# KiCad board SparkFun_NEO-F10N_panelized.kicad_pcb (continued)
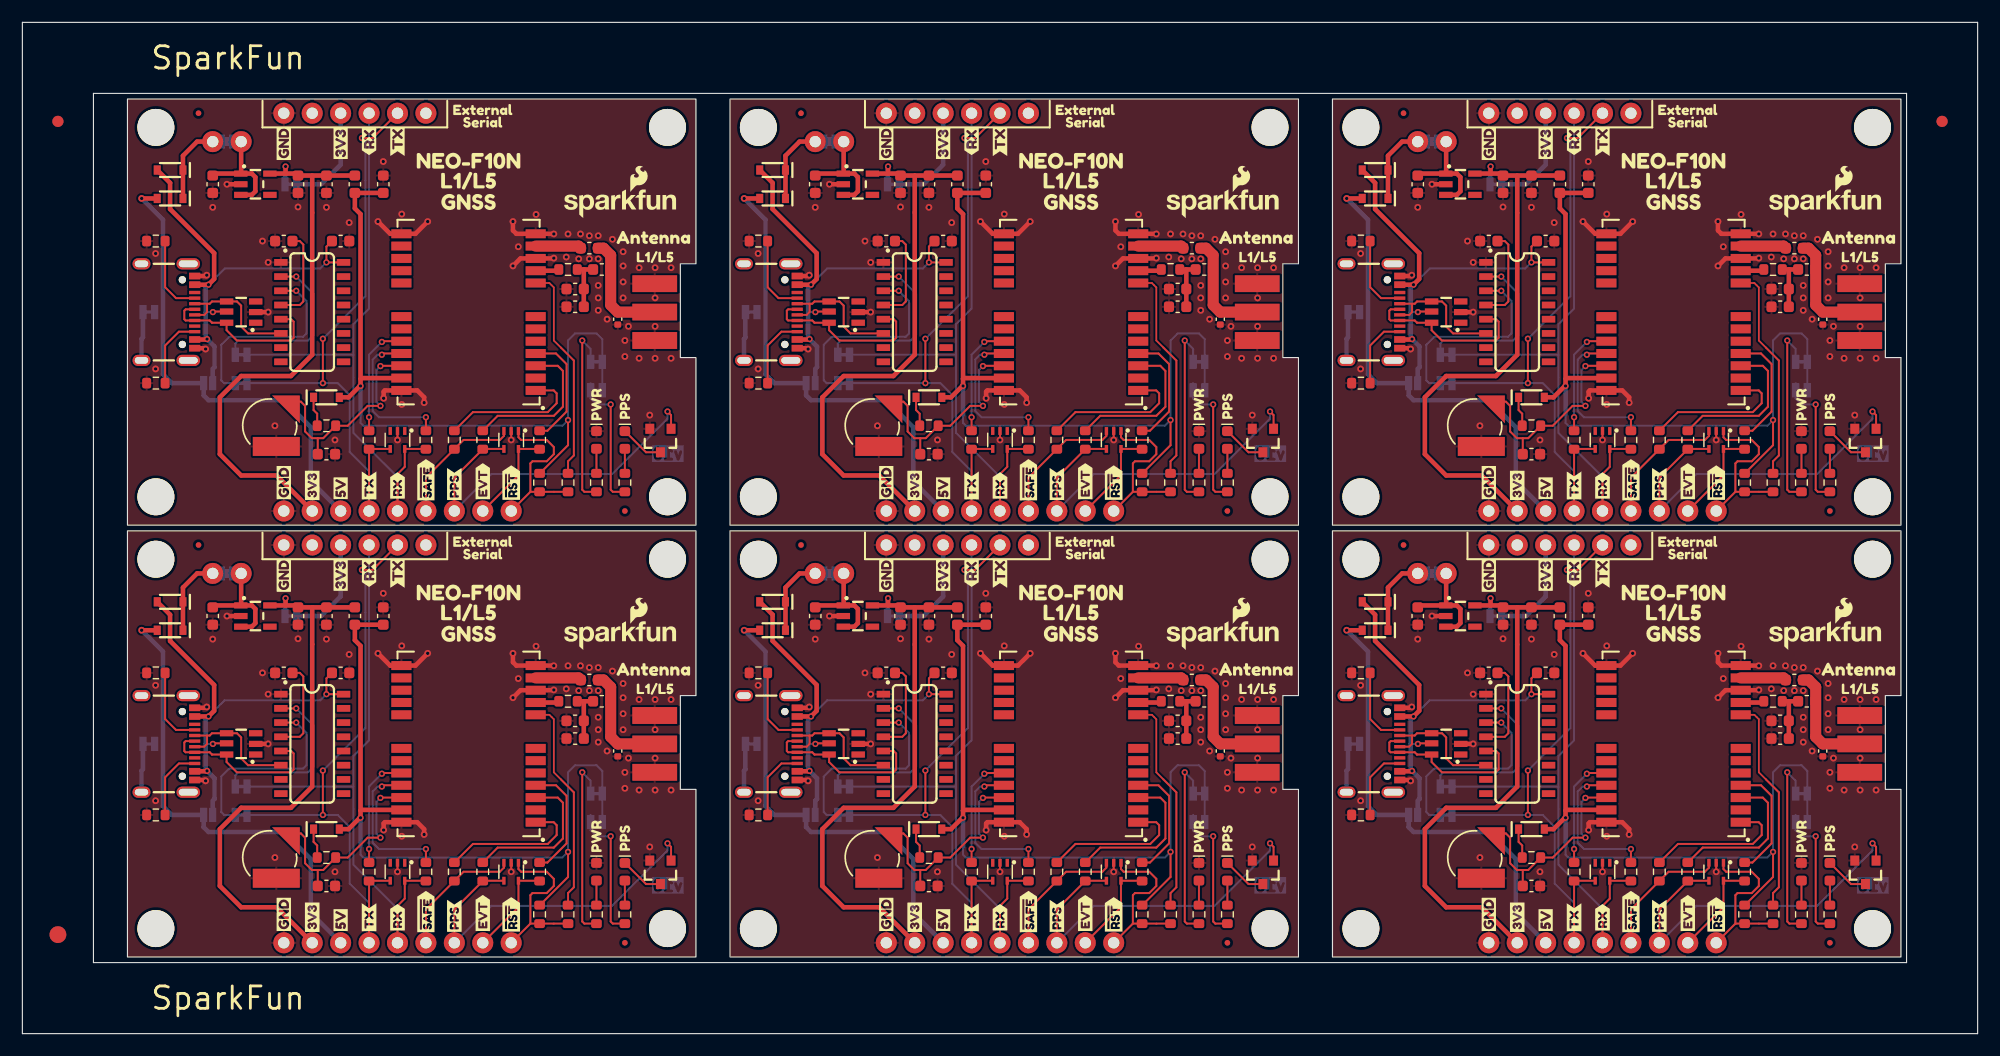
[diagram p0: board, top side]
## Placement (name value [footprint] x y rotation side) (continued)
kibuzzard-654D22C2#6  G***  [kibuzzard-654D22C2]  25.9 10.41 90 top
kibuzzard-654D22C2#7  G***  [kibuzzard-654D22C2]  79.74 10.41 270 bottom
kibuzzard-654D22C2#8  G***  [kibuzzard-654D22C2]  25.9 49.01 270 bottom
kibuzzard-654D22C2#9  G***  [kibuzzard-654D22C2]  133.58 10.41 270 bottom
kibuzzard-654D22C2#10  G***  [kibuzzard-654D22C2]  79.74 49.01 270 bottom
kibuzzard-654D22C2#11  G***  [kibuzzard-654D22C2]  133.58 49.01 270 bottom
kibuzzard-654D22C2#12  G***  [kibuzzard-654D22C2]  25.9 10.41 270 bottom
kibuzzard-654D22ED  G***  [kibuzzard-654D22ED]  30.98 10.41 90 top
kibuzzard-654D22ED#2  G***  [kibuzzard-654D22ED]  30.98 49.01 90 top
kibuzzard-654D22ED#3  G***  [kibuzzard-654D22ED]  84.82 49.01 90 top
kibuzzard-654D22ED#4  G***  [kibuzzard-654D22ED]  138.66 10.41 90 top
kibuzzard-654D22ED#5  G***  [kibuzzard-654D22ED]  138.66 49.01 90 top
kibuzzard-654D22ED#6  G***  [kibuzzard-654D22ED]  84.82 10.41 90 top
kibuzzard-654D22FF  G***  [kibuzzard-654D22FF]  87.36 49.01 90 top
kibuzzard-654D22FF#2  G***  [kibuzzard-654D22FF]  141.2 10.41 90 top
kibuzzard-654D22FF#3  G***  [kibuzzard-654D22FF]  141.2 49.01 90 top
kibuzzard-654D22FF#4  G***  [kibuzzard-654D22FF]  33.52 49.01 90 top
kibuzzard-654D22FF#5  G***  [kibuzzard-654D22FF]  87.36 10.41 90 top
kibuzzard-654D22FF#6  G***  [kibuzzard-654D22FF]  33.52 10.41 90 top
kibuzzard-654D24A3  G***  [kibuzzard-654D24A3]  131.42 22.09 180 bottom
kibuzzard-654D24A3#2  G***  [kibuzzard-654D24A3]  77.58 60.69 180 bottom
kibuzzard-654D24A3#3  G***  [kibuzzard-654D24A3]  77.58 22.09 180 bottom
kibuzzard-654D24A3#4  G***  [kibuzzard-654D24A3]  131.42 60.69 180 bottom
kibuzzard-654D24A3#5  G***  [kibuzzard-654D24A3]  23.74 60.69 180 bottom
kibuzzard-654D24A3#6  G***  [kibuzzard-654D24A3]  23.74 22.09 180 bottom
kibuzzard-654D24AA  G***  [kibuzzard-654D24AA]  77.71 58.15 180 bottom
kibuzzard-654D24AA#2  G***  [kibuzzard-654D24AA]  77.71 19.55 180 bottom
kibuzzard-654D24AA#3  G***  [kibuzzard-654D24AA]  23.87 58.15 180 bottom
kibuzzard-654D24AA#4  G***  [kibuzzard-654D24AA]  131.55 19.55 180 bottom
kibuzzard-654D24AA#5  G***  [kibuzzard-654D24AA]  131.55 58.15 180 bottom
kibuzzard-654D24AA#6  G***  [kibuzzard-654D24AA]  23.87 19.55 180 bottom
kibuzzard-654D24CA  G***  [kibuzzard-654D24CA]  72.12 42.92 180 bottom
kibuzzard-654D24CA#2  G***  [kibuzzard-654D24CA]  18.28 81.52 180 bottom
kibuzzard-654D24CA#3  G***  [kibuzzard-654D24CA]  72.12 81.52 180 bottom
kibuzzard-654D24CA#4  G***  [kibuzzard-654D24CA]  125.96 81.52 180 bottom
kibuzzard-654D24CA#5  G***  [kibuzzard-654D24CA]  125.96 42.92 180 bottom
kibuzzard-654D24CA#6  G***  [kibuzzard-654D24CA]  18.28 42.92 180 bottom
kibuzzard-654D232B  G***  [kibuzzard-654D232B]  38.6 49.13 90 top
kibuzzard-654D232B#2  G***  [kibuzzard-654D232B]  92.44 10.53 90 top
kibuzzard-654D232B#3  G***  [kibuzzard-654D232B]  146.28 49.13 90 top
kibuzzard-654D232B#4  G***  [kibuzzard-654D232B]  92.44 49.13 90 top
kibuzzard-654D232B#5  G***  [kibuzzard-654D232B]  146.28 10.53 90 top
kibuzzard-654D232B#6  G***  [kibuzzard-654D232B]  38.6 10.53 90 top
kibuzzard-654D2357  G***  [kibuzzard-654D2357]  41.14 10.79 90 top
kibuzzard-654D2357#2  G***  [kibuzzard-654D2357]  148.82 10.79 90 top
kibuzzard-654D2357#3  G***  [kibuzzard-654D2357]  41.14 49.39 90 top
kibuzzard-654D2357#4  G***  [kibuzzard-654D2357]  94.98 10.79 90 top
kibuzzard-654D2357#5  G***  [kibuzzard-654D2357]  94.98 49.39 90 top
kibuzzard-654D2357#6  G***  [kibuzzard-654D2357]  148.82 49.39 90 top
kibuzzard-655A6C20  G***  [kibuzzard-655A6C20]  97.52 10.66 90 top
kibuzzard-655A6C20#2  G***  [kibuzzard-655A6C20]  151.36 49.26 90 top
kibuzzard-655A6C20#3  G***  [kibuzzard-655A6C20]  43.68 49.26 90 top
kibuzzard-655A6C20#4  G***  [kibuzzard-655A6C20]  151.36 10.66 90 top
kibuzzard-655A6C20#5  G***  [kibuzzard-655A6C20]  97.52 49.26 90 top
kibuzzard-655A6C20#6  G***  [kibuzzard-655A6C20]  43.68 10.66 90 top
kibuzzard-655A6C73  G***  [kibuzzard-655A6C73]  151.36 49.89 270 bottom
kibuzzard-655A6C73#2  G***  [kibuzzard-655A6C73]  43.68 49.89 270 bottom
kibuzzard-655A6C73#3  G***  [kibuzzard-655A6C73]  97.52 11.29 270 bottom
kibuzzard-655A6C73#4  G***  [kibuzzard-655A6C73]  97.52 49.89 270 bottom
kibuzzard-655A6C73#5  G***  [kibuzzard-655A6C73]  151.36 11.29 270 bottom
kibuzzard-655A6C73#6  G***  [kibuzzard-655A6C73]  43.68 11.29 270 bottom
kibuzzard-655A6CC4  G***  [kibuzzard-655A6CC4]  36.06 10.91 90 top
kibuzzard-655A6CC4#2  G***  [kibuzzard-655A6CC4]  36.06 49.51 90 top
kibuzzard-655A6CC4#3  G***  [kibuzzard-655A6CC4]  89.9 49.51 90 top
kibuzzard-655A6CC4#4  G***  [kibuzzard-655A6CC4]  89.9 10.91 90 top
kibuzzard-655A6CC4#5  G***  [kibuzzard-655A6CC4]  143.74 49.51 90 top
kibuzzard-655A6CC4#6  G***  [kibuzzard-655A6CC4]  143.74 10.91 90 top
kibuzzard-655A6CE2  G***  [kibuzzard-655A6CE2]  89.9 49.51 270 bottom
kibuzzard-655A6CE2#2  G***  [kibuzzard-655A6CE2]  36.06 49.51 270 bottom
kibuzzard-655A6CE2#3  G***  [kibuzzard-655A6CE2]  89.9 10.91 270 bottom
kibuzzard-655A6CE2#4  G***  [kibuzzard-655A6CE2]  143.74 10.91 270 bottom
kibuzzard-655A6CE2#5  G***  [kibuzzard-655A6CE2]  143.74 49.51 270 bottom
kibuzzard-655A6CE2#6  G***  [kibuzzard-655A6CE2]  36.06 10.91 270 bottom
kibuzzard-6542D1F0  G***  [kibuzzard-6542D1F0]  142.47 65.77 180 bottom
kibuzzard-6542D1F0#2  G***  [kibuzzard-6542D1F0]  88.63 65.77 180 bottom
kibuzzard-6542D1F0#3  G***  [kibuzzard-6542D1F0]  88.63 27.17 180 bottom
kibuzzard-6542D1F0#4  G***  [kibuzzard-6542D1F0]  34.79 65.77 180 bottom
kibuzzard-6542D1F0#5  G***  [kibuzzard-6542D1F0]  142.47 27.17 180 bottom
kibuzzard-6542D1F0#6  G***  [kibuzzard-6542D1F0]  34.79 27.17 180 bottom
kibuzzard-6542D1FC  G***  [kibuzzard-6542D1FC]  34.79 61.96 180 bottom
kibuzzard-6542D1FC#2  G***  [kibuzzard-6542D1FC]  88.63 61.96 180 bottom
kibuzzard-6542D1FC#3  G***  [kibuzzard-6542D1FC]  142.47 23.36 180 bottom
kibuzzard-6542D1FC#4  G***  [kibuzzard-6542D1FC]  88.63 23.36 180 bottom
kibuzzard-6542D1FC#5  G***  [kibuzzard-6542D1FC]  142.47 61.96 180 bottom
kibuzzard-6542D1FC#6  G***  [kibuzzard-6542D1FC]  34.79 23.36 180 bottom
kibuzzard-6542D20F  G***  [kibuzzard-6542D20F]  93.71 76.25 0 top
kibuzzard-6542D20F#2  G***  [kibuzzard-6542D20F]  147.55 37.65 0 top
kibuzzard-6542D20F#3  G***  [kibuzzard-6542D20F]  93.71 37.65 0 top
kibuzzard-6542D20F#4  G***  [kibuzzard-6542D20F]  39.87 76.25 0 top
kibuzzard-6542D20F#5  G***  [kibuzzard-6542D20F]  147.55 76.25 0 top
kibuzzard-6542D20F#6  G***  [kibuzzard-6542D20F]  39.87 37.65 0 top
kibuzzard-6542D208  G***  [kibuzzard-6542D208]  39.87 78.03 0 top
kibuzzard-6542D208#2  G***  [kibuzzard-6542D208]  93.71 39.43 0 top
kibuzzard-6542D208#3  G***  [kibuzzard-6542D208]  93.71 78.03 0 top
kibuzzard-6542D208#4  G***  [kibuzzard-6542D208]  147.55 39.43 0 top
kibuzzard-6542D208#5  G***  [kibuzzard-6542D208]  147.55 78.03 0 top
kibuzzard-6542D208#6  G***  [kibuzzard-6542D208]  39.87 39.43 0 top
kibuzzard-6598A013  G***  [kibuzzard-6598A013]  73.07 37.33 180 bottom
kibuzzard-6598A013#2  G***  [kibuzzard-6598A013]  126.91 37.33 180 bottom
kibuzzard-6598A013#3  G***  [kibuzzard-6598A013]  19.23 75.93 180 bottom
kibuzzard-6598A013#4  G***  [kibuzzard-6598A013]  73.07 75.93 180 bottom
kibuzzard-6598A013#5  G***  [kibuzzard-6598A013]  126.91 75.93 180 bottom
kibuzzard-6598A013#6  G***  [kibuzzard-6598A013]  19.23 37.33 180 bottom
kibuzzard-6598A076  G***  [kibuzzard-6598A076]  68.63 64.5 180 bottom
kibuzzard-6598A076#2  G***  [kibuzzard-6598A076]  122.47 64.5 180 bottom
kibuzzard-6598A076#3  G***  [kibuzzard-6598A076]  14.79 64.5 180 bottom
kibuzzard-6598A076#4  G***  [kibuzzard-6598A076]  122.47 25.9 180 bottom
kibuzzard-6598A076#5  G***  [kibuzzard-6598A076]  68.63 25.9 180 bottom
kibuzzard-6598A076#6  G***  [kibuzzard-6598A076]  14.79 25.9 180 bottom
kibuzzard-65989F3D  G***  [kibuzzard-65989F3D]  66.4 19.55 180 bottom
kibuzzard-65989F3D#2  G***  [kibuzzard-65989F3D]  66.4 58.15 180 bottom
kibuzzard-65989F3D#3  G***  [kibuzzard-65989F3D]  120.24 19.55 180 bottom
kibuzzard-65989F3D#4  G***  [kibuzzard-65989F3D]  120.24 58.15 180 bottom
kibuzzard-65989F3D#5  G***  [kibuzzard-65989F3D]  12.56 58.15 180 bottom
kibuzzard-65989F3D#6  G***  [kibuzzard-65989F3D]  12.56 19.55 180 bottom
kibuzzard-65989F89  G***  [kibuzzard-65989F89]  101.96 60.06 180 bottom
kibuzzard-65989F89#2  G***  [kibuzzard-65989F89]  48.12 60.06 180 bottom
kibuzzard-65989F89#3  G***  [kibuzzard-65989F89]  155.8 21.46 180 bottom
kibuzzard-65989F89#4  G***  [kibuzzard-65989F89]  101.96 21.46 180 bottom
kibuzzard-65989F89#5  G***  [kibuzzard-65989F89]  155.8 60.06 180 bottom
kibuzzard-65989F89#6  G***  [kibuzzard-65989F89]  48.12 21.46 180 bottom
kibuzzard-65989F92  G***  [kibuzzard-65989F92]  102.12 57.52 180 bottom
kibuzzard-65989F92#2  G***  [kibuzzard-65989F92]  155.96 18.91 180 bottom
kibuzzard-65989F92#3  G***  [kibuzzard-65989F92]  102.12 18.91 180 bottom
kibuzzard-65989F92#4  G***  [kibuzzard-65989F92]  48.28 57.52 180 bottom
kibuzzard-65989F92#5  G***  [kibuzzard-65989F92]  155.96 57.52 180 bottom
kibuzzard-65989F92#6  G***  [kibuzzard-65989F92]  48.28 18.91 180 bottom
kibuzzard-650880E6  G***  [kibuzzard-650880E6]  88.63 19.55 180 bottom
kibuzzard-650880E6#2  G***  [kibuzzard-650880E6]  142.47 58.15 180 bottom
kibuzzard-650880E6#3  G***  [kibuzzard-650880E6]  88.63 58.15 180 bottom
kibuzzard-650880E6#4  G***  [kibuzzard-650880E6]  34.79 58.15 180 bottom
kibuzzard-650880E6#5  G***  [kibuzzard-650880E6]  142.47 19.55 180 bottom
kibuzzard-650880E6#6  G***  [kibuzzard-650880E6]  34.79 19.55 180 bottom
kibuzzard-659876FC  G***  [kibuzzard-659876FC]  84.82 41.14 90 top
kibuzzard-659876FC#2  G***  [kibuzzard-659876FC]  84.82 79.74 90 top
kibuzzard-659876FC#3  G***  [kibuzzard-659876FC]  138.66 79.74 90 top
kibuzzard-659876FC#4  G***  [kibuzzard-659876FC]  30.98 79.74 90 top
kibuzzard-659876FC#5  G***  [kibuzzard-659876FC]  138.66 41.14 90 top
kibuzzard-659876FC#6  G***  [kibuzzard-659876FC]  30.98 41.14 90 top
kibuzzard-6598770D  G***  [kibuzzard-6598770D]  33.52 79.74 90 top
kibuzzard-6598770D#2  G***  [kibuzzard-6598770D]  87.36 79.74 90 top
kibuzzard-6598770D#3  G***  [kibuzzard-6598770D]  141.2 41.14 90 top
kibuzzard-6598770D#4  G***  [kibuzzard-6598770D]  87.36 41.14 90 top
kibuzzard-6598770D#5  G***  [kibuzzard-6598770D]  141.2 79.74 90 top
kibuzzard-6598770D#6  G***  [kibuzzard-6598770D]  33.52 41.14 90 top
kibuzzard-6598978C  G***  [kibuzzard-6598978C]  33.52 79.74 270 bottom
kibuzzard-6598978C#2  G***  [kibuzzard-6598978C]  87.36 79.74 270 bottom
kibuzzard-6598978C#3  G***  [kibuzzard-6598978C]  141.2 41.14 270 bottom
kibuzzard-6598978C#4  G***  [kibuzzard-6598978C]  87.36 41.14 270 bottom
kibuzzard-6598978C#5  G***  [kibuzzard-6598978C]  141.2 79.74 270 bottom
kibuzzard-6598978C#6  G***  [kibuzzard-6598978C]  33.52 41.14 270 bottom
kibuzzard-6598994F  G***  [kibuzzard-6598994F]  41.14 81.49 0 top
kibuzzard-6598994F#2  G***  [kibuzzard-6598994F]  94.98 81.49 0 top
kibuzzard-6598994F#3  G***  [kibuzzard-6598994F]  94.98 42.89 0 top
kibuzzard-6598994F#4  G***  [kibuzzard-6598994F]  148.82 42.89 0 top
kibuzzard-6598994F#5  G***  [kibuzzard-6598994F]  148.82 81.49 0 top
kibuzzard-6598994F#6  G***  [kibuzzard-6598994F]  41.14 42.89 0 top
kibuzzard-6598994F#7  G***  [kibuzzard-6598994F]  41.14 81.49 180 bottom
kibuzzard-6598994F#8  G***  [kibuzzard-6598994F]  94.98 81.49 180 bottom
kibuzzard-6598994F#9  G***  [kibuzzard-6598994F]  148.82 42.89 180 bottom
kibuzzard-6598994F#10  G***  [kibuzzard-6598994F]  94.98 42.89 180 bottom
kibuzzard-6598994F#11  G***  [kibuzzard-6598994F]  148.82 81.49 180 bottom
kibuzzard-6598994F#12  G***  [kibuzzard-6598994F]  41.14 42.89 180 bottom
kibuzzard-65989731  G***  [kibuzzard-65989731]  28.44 79.58 90 top
kibuzzard-65989731#2  G***  [kibuzzard-65989731]  82.28 79.58 90 top
kibuzzard-65989731#3  G***  [kibuzzard-65989731]  82.28 40.98 90 top
kibuzzard-65989731#4  G***  [kibuzzard-65989731]  136.12 40.98 90 top
kibuzzard-65989731#5  G***  [kibuzzard-65989731]  136.12 79.58 90 top
kibuzzard-65989731#6  G***  [kibuzzard-65989731]  28.44 40.98 90 top
kibuzzard-65989731#7  G***  [kibuzzard-65989731]  82.28 40.98 270 bottom
kibuzzard-65989731#8  G***  [kibuzzard-65989731]  82.28 79.58 270 bottom
kibuzzard-65989731#9  G***  [kibuzzard-65989731]  136.12 79.58 270 bottom
kibuzzard-65989731#10  G***  [kibuzzard-65989731]  28.44 79.58 270 bottom
kibuzzard-65989731#11  G***  [kibuzzard-65989731]  136.12 40.98 270 bottom
kibuzzard-65989731#12  G***  [kibuzzard-65989731]  28.44 40.98 270 bottom
kibuzzard-65989781  G***  [kibuzzard-65989781]  138.66 41.14 270 bottom
kibuzzard-65989781#2  G***  [kibuzzard-65989781]  84.82 41.14 270 bottom
kibuzzard-65989781#3  G***  [kibuzzard-65989781]  30.98 79.74 270 bottom
kibuzzard-65989781#4  G***  [kibuzzard-65989781]  84.82 79.74 270 bottom
kibuzzard-65989781#5  G***  [kibuzzard-65989781]  138.66 79.74 270 bottom
kibuzzard-65989781#6  G***  [kibuzzard-65989781]  30.98 41.14 270 bottom
kibuzzard-65989942  G***  [kibuzzard-65989942]  41.14 44 0 top
kibuzzard-65989942#2  G***  [kibuzzard-65989942]  94.98 44 0 top
kibuzzard-65989942#3  G***  [kibuzzard-65989942]  148.82 44 0 top
kibuzzard-65989942#4  G***  [kibuzzard-65989942]  41.14 82.6 0 top
kibuzzard-65989942#5  G***  [kibuzzard-65989942]  148.82 82.6 0 top
kibuzzard-65989942#6  G***  [kibuzzard-65989942]  94.98 82.6 0 top
kibuzzard-65989942#7  G***  [kibuzzard-65989942]  94.98 44 180 bottom
kibuzzard-65989942#8  G***  [kibuzzard-65989942]  41.14 82.6 180 bottom
kibuzzard-65989942#9  G***  [kibuzzard-65989942]  148.82 82.6 180 bottom
kibuzzard-65989942#10  G***  [kibuzzard-65989942]  94.98 82.6 180 bottom
kibuzzard-65989942#11  G***  [kibuzzard-65989942]  148.82 44 180 bottom
kibuzzard-65989942#12  G***  [kibuzzard-65989942]  41.14 44 180 bottom
L1  33nH  [C_0603_1608Metric]  51.78 68.31 0 top
L1#2  33nH  [C_0603_1608Metric]  159.46 68.31 0 top
L1#3  33nH  [C_0603_1608Metric]  159.46 29.71 0 top
L1#4  33nH  [C_0603_1608Metric]  105.62 68.31 0 top
L1#5  33nH  [C_0603_1608Metric]  105.62 29.71 0 top
L1#6  33nH  [C_0603_1608Metric]  51.78 29.71 0 top
L2  30Ohm  [C_0603_1608Metric]  29.71 37.33 270 top
L2#2  30Ohm  [C_0603_1608Metric]  29.71 75.93 270 top
L2#3  30Ohm  [C_0603_1608Metric]  83.55 37.33 270 top
L2#4  30Ohm  [C_0603_1608Metric]  83.55 75.93 270 top
L2#5  30Ohm  [C_0603_1608Metric]  137.39 37.33 270 top
L2#6  30Ohm  [C_0603_1608Metric]  137.39 75.93 270 top
NOREF  -  [Fiducial_1.5mm_Mask3mm]  3.17 8.85 0 top
NOREF#2  -  [Fiducial_1mm_Mask3mm]  3.17 81.55 0 top
NOREF#3  -  [Fiducial_1mm_Mask3mm]  171.54 81.55 0 top
NOREF#4  -  [Fiducial_1mm_Mask3mm]  171.54 81.55 0 bottom
NOREF#5  -  [Fiducial_1mm_Mask3mm]  3.17 81.55 0 bottom
NOREF#6  -  [Fiducial_1.5mm_Mask3mm]  3.17 8.85 0 bottom
Q1  BSS138  [SOT23-3]  110.85 14.47 270 top
Q1#2  BSS138  [SOT23-3]  164.69 53.07 270 top
Q1#3  BSS138  [SOT23-3]  57.01 53.07 270 top
Q1#4  BSS138  [SOT23-3]  110.85 53.07 270 top
Q1#5  BSS138  [SOT23-3]  164.69 14.47 270 top
Q1#6  BSS138  [SOT23-3]  57.01 14.47 270 top
R1  5.1k  [R_0603_1608Metric]  65.77 19.55 180 top
R1#2  5.1k  [R_0603_1608Metric]  11.93 58.15 180 top
R1#3  5.1k  [R_0603_1608Metric]  119.61 19.55 180 top
R1#4  5.1k  [R_0603_1608Metric]  119.61 58.15 180 top
R1#5  5.1k  [R_0603_1608Metric]  65.77 58.15 180 top
R1#6  5.1k  [R_0603_1608Metric]  11.93 19.55 180 top
R2  5.1k  [R_0603_1608Metric]  11.93 32.25 180 top
R2#2  5.1k  [R_0603_1608Metric]  119.61 32.25 180 top
R2#3  5.1k  [R_0603_1608Metric]  65.77 70.85 180 top
R2#4  5.1k  [R_0603_1608Metric]  65.77 32.25 180 top
R2#5  5.1k  [R_0603_1608Metric]  119.61 70.85 180 top
R2#6  5.1k  [R_0603_1608Metric]  11.93 70.85 180 top
R3  10  [R_0603_1608Metric]  48.76 29.71 180 top
R3#2  10  [R_0603_1608Metric]  102.6 29.71 180 top
R3#3  10  [R_0603_1608Metric]  102.6 68.31 180 top
R3#4  10  [R_0603_1608Metric]  156.44 68.31 180 top
R3#5  10  [R_0603_1608Metric]  48.76 68.31 180 top
R3#6  10  [R_0603_1608Metric]  156.44 29.71 180 top
R4  4.7k  [R_0603_1608Metric]  51.3 10.66 90 top
R4#2  4.7k  [R_0603_1608Metric]  105.14 10.66 90 top
R4#3  4.7k  [R_0603_1608Metric]  158.98 10.66 90 top
R4#4  4.7k  [R_0603_1608Metric]  51.3 49.26 90 top
R4#5  4.7k  [R_0603_1608Metric]  105.14 49.26 90 top
R4#6  4.7k  [R_0603_1608Metric]  158.98 49.26 90 top
R5  2.2k  [R_0603_1608Metric]  53.84 10.66 90 top
R5#2  2.2k  [R_0603_1608Metric]  107.68 10.66 90 top
R5#3  2.2k  [R_0603_1608Metric]  53.84 49.26 90 top
R5#4  2.2k  [R_0603_1608Metric]  161.52 10.66 90 top
R5#5  2.2k  [R_0603_1608Metric]  161.52 49.26 90 top
R5#6  2.2k  [R_0603_1608Metric]  107.68 49.26 90 top
R7  1k  [R_0603_1608Metric]  134.85 54.34 0 top
R7#2  1k  [R_0603_1608Metric]  27.17 54.34 0 top
R7#3  1k  [R_0603_1608Metric]  81.01 15.74 0 top
R7#4  1k  [R_0603_1608Metric]  81.01 54.34 0 top
R7#5  1k  [R_0603_1608Metric]  134.85 15.74 0 top
R7#6  1k  [R_0603_1608Metric]  27.17 15.74 0 top
R12  10k  [R_0603_1608Metric]  46.22 10.66 270 top
R12#2  10k  [R_0603_1608Metric]  153.9 49.26 270 top
R12#3  10k  [R_0603_1608Metric]  100.06 10.66 270 top
R12#4  10k  [R_0603_1608Metric]  153.9 10.66 270 top
R12#5  10k  [R_0603_1608Metric]  100.06 49.26 270 top
R12#6  10k  [R_0603_1608Metric]  46.22 49.26 270 top
R15  33  [R_0603_1608Metric]  30.98 14.47 270 top
R15#2  33  [R_0603_1608Metric]  138.66 53.07 270 top
R15#3  33  [R_0603_1608Metric]  138.66 14.47 270 top
R15#4  33  [R_0603_1608Metric]  84.82 53.07 270 top
R15#5  33  [R_0603_1608Metric]  30.98 53.07 270 top
R15#6  33  [R_0603_1608Metric]  84.82 14.47 270 top
R16  33  [R_0603_1608Metric]  143.74 14.47 270 top
R16#2  33  [R_0603_1608Metric]  143.74 53.07 270 top
R16#3  33  [R_0603_1608Metric]  36.06 53.07 270 top
R16#4  33  [R_0603_1608Metric]  89.9 14.47 270 top
R16#5  33  [R_0603_1608Metric]  89.9 53.07 270 top
R16#6  33  [R_0603_1608Metric]  36.06 14.47 270 top
R29  33  [R_0603_1608Metric]  38.6 53.07 270 top
R29#2  33  [R_0603_1608Metric]  38.6 14.47 270 top
R29#3  33  [R_0603_1608Metric]  146.28 14.47 270 top
R29#4  33  [R_0603_1608Metric]  92.44 53.07 270 top
R29#5  33  [R_0603_1608Metric]  92.44 14.47 270 top
R29#6  33  [R_0603_1608Metric]  146.28 53.07 270 top
R30  33  [R_0603_1608Metric]  41.14 53.07 270 top
R30#2  33  [R_0603_1608Metric]  94.98 14.47 270 top
R30#3  33  [R_0603_1608Metric]  94.98 53.07 270 top
R30#4  33  [R_0603_1608Metric]  148.82 53.07 270 top
R30#5  33  [R_0603_1608Metric]  148.82 14.47 270 top
R30#6  33  [R_0603_1608Metric]  41.14 14.47 270 top
R31  33  [R_0603_1608Metric]  100.06 14.47 270 top
R31#2  33  [R_0603_1608Metric]  100.06 53.07 270 top
R31#3  33  [R_0603_1608Metric]  153.9 53.07 270 top
R31#4  33  [R_0603_1608Metric]  46.22 53.07 270 top
R31#5  33  [R_0603_1608Metric]  153.9 14.47 270 top
R31#6  33  [R_0603_1608Metric]  46.22 14.47 270 top
R34  33  [R_0603_1608Metric]  102.6 49.26 90 top
R34#2  33  [R_0603_1608Metric]  48.76 10.66 90 top
R34#3  33  [R_0603_1608Metric]  156.44 49.26 90 top
R34#4  33  [R_0603_1608Metric]  48.76 49.26 90 top
R34#5  33  [R_0603_1608Metric]  156.44 10.66 90 top
R34#6  33  [R_0603_1608Metric]  102.6 10.66 90 top
Ref**  Val**  [OSHW_Logo_5mm]  51.3 10.66 180 bottom
Ref**#2  Val**  [OSHW_Logo_5mm]  158.98 49.26 180 bottom
Ref**#3  Val**  [OSHW_Logo_5mm]  105.14 10.66 180 bottom
Ref**#4  Val**  [OSHW_Logo_5mm]  158.98 10.66 180 bottom
Ref**#5  Val**  [OSHW_Logo_5mm]  51.3 49.26 180 bottom
Ref**#6  Val**  [OSHW_Logo_5mm]  105.14 49.26 180 bottom
ST1  Stand_off  [STAND-OFF]  111.49 42.41 0 top
ST1#2  Stand_off  [STAND-OFF]  111.49 81.01 0 top
ST1#3  Stand_off  [STAND-OFF]  165.33 42.41 0 top
ST1#4  Stand_off  [STAND-OFF]  57.65 81.01 0 top
ST1#5  Stand_off  [STAND-OFF]  165.33 81.01 0 top
ST1#6  Stand_off  [STAND-OFF]  57.65 42.41 0 top
ST2  Stand_off  [STAND-OFF]  57.65 9.39 0 top
ST2#2  Stand_off  [STAND-OFF]  57.65 47.99 0 top
ST2#3  Stand_off  [STAND-OFF]  111.49 47.99 0 top
ST2#4  Stand_off  [STAND-OFF]  165.33 47.99 0 top
ST2#5  Stand_off  [STAND-OFF]  165.33 9.39 0 top
ST2#6  Stand_off  [STAND-OFF]  111.49 9.39 0 top
ST3  Stand_off  [STAND-OFF]  11.93 81.01 0 top
ST3#2  Stand_off  [STAND-OFF]  119.61 42.41 0 top
ST3#3  Stand_off  [STAND-OFF]  65.77 42.41 0 top
ST3#4  Stand_off  [STAND-OFF]  65.77 81.01 0 top
ST3#5  Stand_off  [STAND-OFF]  119.61 81.01 0 top
ST3#6  Stand_off  [STAND-OFF]  11.93 42.41 0 top
ST4  Stand_off  [STAND-OFF]  11.93 47.99 0 top
ST4#2  Stand_off  [STAND-OFF]  65.77 47.99 0 top
ST4#3  Stand_off  [STAND-OFF]  65.77 9.39 0 top
ST4#4  Stand_off  [STAND-OFF]  119.61 9.39 0 top
ST4#5  Stand_off  [STAND-OFF]  119.61 47.99 0 top
ST4#6  Stand_off  [STAND-OFF]  11.93 9.39 0 top
U1  TVS_ESD_USB  [SOT23-6]  19.55 64.5 180 top
U1#2  TVS_ESD_USB  [SOT23-6]  127.23 64.5 180 top
U1#3  TVS_ESD_USB  [SOT23-6]  73.39 25.9 180 top
U1#4  TVS_ESD_USB  [SOT23-6]  73.39 64.5 180 top
U1#5  TVS_ESD_USB  [SOT23-6]  127.23 25.9 180 top
U1#6  TVS_ESD_USB  [SOT23-6]  19.55 25.9 180 top
U2  AP2112K-3.3  [SOT23-5]  74.66 37.33 0 top
U2#2  AP2112K-3.3  [SOT23-5]  128.5 37.33 0 top
U2#3  AP2112K-3.3  [SOT23-5]  74.66 75.93 0 top
U2#4  AP2112K-3.3  [SOT23-5]  20.82 75.93 0 top
U2#5  AP2112K-3.3  [SOT23-5]  128.5 75.93 0 top
U2#6  AP2112K-3.3  [SOT23-5]  20.82 37.33 0 top
U3  NEO-F10N  [NEO-M9N_M8T_M8U_D9S_F9P_F10N]  93.71 25.9 0 top
U3#2  NEO-F10N  [NEO-M9N_M8T_M8U_D9S_F9P_F10N]  39.87 64.5 0 top
U3#3  NEO-F10N  [NEO-M9N_M8T_M8U_D9S_F9P_F10N]  93.71 64.5 0 top
U3#4  NEO-F10N  [NEO-M9N_M8T_M8U_D9S_F9P_F10N]  147.55 25.9 0 top
U3#5  NEO-F10N  [NEO-M9N_M8T_M8U_D9S_F9P_F10N]  147.55 64.5 0 top
U3#6  NEO-F10N  [NEO-M9N_M8T_M8U_D9S_F9P_F10N]  39.87 25.9 0 top
U7  ~  [ORDERING_INSTRUCTIONS]  187.04 57.4 0 top
U8  CH340C  [SO16]  133.58 64.5 0 top
U8#2  CH340C  [SO16]  79.74 64.5 0 top
U8#3  CH340C  [SO16]  133.58 25.9 0 top
U8#4  CH340C  [SO16]  79.74 25.9 0 top
U8#5  CH340C  [SO16]  25.9 64.5 0 top
U8#6  CH340C  [SO16]  25.9 25.9 0 top

## Library data of the parts
BT1 BT1#2-BT1#6 = -: Description: Reflowable coin cell battery; PROD_ID: BATT-14267
C1 C1#2-C1#6 C2 C2#2-C2#6 C4 C4#2-C4#6 C12 C12#2-C12#6 C13 C13#2-C13#6 C16 C16#2-C16#6 = -: Description: Unpolarized capacitor; PROD_ID: CAP-00810; Tolerance: +80%/-20%; Voltage: 25V
C3 C3#2-C3#6 C8 C8#2-C8#6 = -: Description: Unpolarized capacitor; PROD_ID: CAP-13930; Tolerance: 10%; Voltage: 16V
C6 C6#2-C6#6 C7 C7#2-C7#6 = -: Description: Unpolarized capacitor; PROD_ID: CAP-08913; Tolerance: 5%; Voltage: 50V
D1 D1#2-D1#6 = -: Description: Light emitting diode; PROD_ID: DIO-17976
D2 D2#2-D2#6 D3 D3#2-D3#6 = -: Description: Low capacitance unidirectional quadruple ESD protection diode array, 3.3V, Common Anode, SOT-353; PROD_ID: DIO-19494
D4 D4#2-D4#6 = -: Description: Light emitting diode; PROD_ID: DIO-09003
D5 D5#2-D5#6 D7 D7#2-D7#6 D8 D8#2-D8#6 = -: Description: Schottky diode; PROD_ID: DIO-10955; VDrop: 0.42V; VMax: 40V
D6 D6#2-D6#6 = -: Description: Bidirectional transient-voltage-suppression diode; PROD_ID: DIO-15359
FID1 FID1#2-FID1#6 FID2 FID2#2-FID2#6 FID3 FID3#2-FID3#6 FID4 FID4#2-FID4#6 = -: Description: Fiducial Marker
J1 J1#2-J1#6 = -: Description: USB 2.0-only Type-C Receptacle connector; PROD_ID: CONN-14122
J2 J2#2-J2#6 = -: Description: Generic connector, single row, 01x09, script generated (kicad-library-utils/schlib/autogen/connector/)
J4 J4#2-J4#6 = -: Description: Generic connector, single row, 01x06, script generated (kicad-library-utils/schlib/autogen/connector/)
J5 J5#2-J5#6 = -: Description: SMA PCB Edge Mount connector; PROD_ID: CONN-08289
JP1 JP1#2-JP1#6 JP2 JP2#2-JP2#6 JP3 JP3#2-JP3#6 JP4 JP4#2-JP4#6 JP5 JP5#2-JP5#6 JP7 JP7#2-JP7#6 JP8 JP8#2-JP8#6 = -: Description: Solder Jumper, 2-pole, closed/bridged
JP6 JP6#2-JP6#6 = -: Description: Solder Jumper, 2-pole, open
L1 L1#2-L1#6 = -: Description: Inductor with ferrite core 30 ohm; Frequency: 100MHz; PROD_ID: NDUC-13805
L2 L2#2-L2#6 = -: Description: Inductor; Frequency: 100MHz; PROD_ID: NDUC-07859
Q1 Q1#2-Q1#6 = -: Description: N-MOSFET transistor, drain/gate/source; IMax: 0.2A; PROD_ID: TRANS-00830; VMax: 50V
R1 R1#2-R1#6 R2 R2#2-R2#6 = -: Description: Resistor; PROD_ID: RES-12083
R3 R3#2-R3#6 = -: Description: Resistor; PROD_ID: RES-12581
R4 R4#2-R4#6 = -: Description: Resistor; PROD_ID: RES-07857
R5 R5#2-R5#6 = -: Description: Resistor; PROD_ID: RES-08272
R7 R7#2-R7#6 = -: Description: Resistor; PROD_ID: RES-07856
R12 R12#2-R12#6 = -: Description: Resistor; PROD_ID: RES-00824
R15 R15#2-R15#6 R16 R16#2-R16#6 R29 R29#2-R29#6 R30 R30#2-R30#6 R31 R31#2-R31#6 R34 R34#2-R34#6 = -: Description: Resistor; PROD_ID: RES-08270
ST1 ST1#2-ST1#6 ST2 ST2#2-ST2#6 ST3 ST3#2-ST3#6 ST4 ST4#2-ST4#6 = -: Description: Drill holes for mechanically mounting via screws, standoffs, etc.
U1 U1#2-U1#6 = -: Description: Very low capacitance ESD protection diode, 4 data-line, SOT-23-6; PROD_ID: IC-13538
U2 U2#2-U2#6 = -: Description: 600mA low dropout linear regulator, with enable pin, 3.8V-6V input voltage range, 3.3V fixed positive output, SOT-23-5; Imax: 600mA; Iq: 55µA; PROD_ID: VREG-12457; VMax: 6V
U3 U3#2-U3#6 = -: PROD_ID: IC-20627
U8 U8#2-U8#6 = -: Description: USB serial converter, UART, SOIC-16; PROD_ID: IC-14038

## Footprints (pads in the part's own frame, mm; a bottom-side part is the same pattern mirrored in y, then rotated)
1X06
  round 1.88 hole 1.016: 1(0,0) 2(2.54,0) 3(5.08,0) 4(7.62,0) 5(10.16,0) 6(12.7,0)
1X09
  round 1.88 hole 1.016: 1(0,0) 2(2.54,0) 3(5.08,0) 4(7.62,0) 5(10.16,0) 6(12.7,0) 7(15.24,0) 8(17.78,0) 9(20.32,0)
C_0402_1005Metric
  rrect 0.56x0.62 smd: 1(-0.48,0) 2(0.48,0)
C_0603_1608Metric
  rrect 0.9x0.95 smd: 1(-0.775,0) 2(0.775,0)
COMBO-JUMPER_2_NC_TRACE
  round 1.88 hole 1.016: 1(-1.27,0) 2(1.27,0)
  rect 0.635x1.27 smd: 1(-0.508,0) 2(0.508,0)
Fiducial_0.5mm_Mask1mm
  round 0.5 smd: (0,0)
Fiducial_1.5mm_Mask3mm
  round 1.5 smd: (0,0)
Fiducial_1mm_Mask3mm
  round 1 smd: (0,0)
LED_0603_1608Metric
  rrect 0.875x0.95 smd: 1(-0.787,0) 2(0.787,0)
ML414H_IV01E
  custom 2.485x2.485 smd: +(2.05,2.152)
  rect 4.2x1.7 smd: -(0.6,-1.85)
NEO-M9N_M8T_M8U_D9S_F9P_F10N
  rect 1.8x0.8 smd: 1(6,-7) 2(6,-5.9) 3(6,-4.8) 4(6,-3.7) 5(6,-2.6) 6(6,-1.5) 7(6,-0.4) 8(6,2.6) 9(6,3.7) 10(6,4.8) 11(6,5.9) 12(6,7) 13(-6,7) 14(-6,5.9) 15(-6,4.8) 16(-6,3.7) 17(-6,2.6) 18(-6,-0.4) 19(-6,-1.5) 20(-6,-2.6) 21(-6,-3.7) 22(-6,-4.8) 23(-6,-5.9) 24(-6,-7)
R_0603_1608Metric
  rrect 0.8x0.95 smd: 1(-0.825,0) 2(0.825,0)
SMA-EDGE
  rect 1.5x4 smd: 1(-2.54,0) 3(2.54,0) SIG(0,0)
  rect 1.5x4 smd far side: 2(-2.54,0) 4(2.54,0)
SMT-JUMPER_2_NC_TRACE_SILK
  rect 0.66x1.27 smd: 1(-0.521,0) 2(0.521,0)
SMT-JUMPER_2_NO_SILK
  rect 0.635x1.27 smd: 1(-0.406,0) 2(0.406,0)
SO16
  rect 1.2x0.6 smd: 1(-2.8,4.445) 2(-2.8,3.175) 3(-2.8,1.905) 4(-2.8,0.635) 5(-2.8,-0.635) 6(-2.8,-1.905) 7(-2.8,-3.175) 8(-2.8,-4.445) 9(2.8,-4.445) 10(2.8,-3.175) 11(2.8,-1.905) 12(2.8,-0.635) 13(2.8,0.635) 14(2.8,1.905) 15(2.8,3.175) 16(2.8,4.445)
SOD-323
  rect 0.63x0.83 smd: A(1.15,0) C(-1.15,0)
SOT23-3
  rect 0.9x0.8 smd: 1(-1,0.95) 2(-1,-0.95) 3(1.1,0)
SOT23-5
  rect 1.2x0.55 smd: 1(-1.3,0.95) 2(-1.3,0) 3(-1.3,-0.95) 4(1.3,-0.95) 5(1.3,0.95)
SOT23-6
  rect 1.2x0.55 smd: 1(-1.3,0.95) 2(-1.3,0) 3(-1.3,-0.95) 4(1.3,-0.95) 5(1.3,-0.05) 6(1.3,0.95)
SOT-353
  rect 0.7x0.3 smd: 1(-0.8,0.65) 2(-0.8,0) 3(-0.8,-0.65) 4(0.8,-0.65) 5(0.8,0.65)
STAND-OFF
  round 3.302 hole 3.302 unplated: (0,0)
USB-C-16P
  round 0.65 hole 0.65 unplated: (-2.89,-1.445) (2.89,-1.445)
  rect 0.3x1 smd: A5(-1.25,-0.34) A6(-0.25,-0.34) A7(0.25,-0.34) A8(1.25,-0.34) B5(1.75,-0.34) B6(0.75,-0.34) B7(-0.75,-0.34) B8(-1.75,-0.34)
  rect 0.6x1 smd: GND(-3.225,-0.34) GND(3.225,-0.34) VBUS(-2.45,-0.34) VBUS(2.45,-0.34)
  oval 1x1.6 hole 0.6x1.2: NC1(-4.318,-5.095) S(4.318,-5.095)
  oval 1x2.1 hole 0.6x1.7: NC2(-4.318,-0.915) NC3(4.318,-0.915)

## Nets
3.3V: C2.1 C2#2.1 C2#3.1 C2#4.1 C2#5.1 C2#6.1 C8.1 C8#2.1 C8#3.1 C8#4.1 C8#5.1 C8#6.1 J2.8 J2#2.8 J2#3.8 J2#4.8 J2#5.8 J2#6.8 JP8.2 JP8#2.2 JP8#3.2 JP8#4.2 JP8#5.2 JP8#6.2 L2.1 L2#2.1 L2#3.1 L2#4.1 L2#5.1 L2#6.1 U2.5 U2#2.5 U2#3.5 U2#4.5 U2#5.5 U2#6.5
3.3V_A: C16.1 C16#2.1 C16#3.1 C16#4.1 C16#5.1 C16#6.1 D5.A D5#2.A D5#3.A D5#4.A D5#5.A D5#6.A JP2.2 JP2#2.2 JP2#3.2 JP2#4.2 JP2#5.2 JP2#6.2 JP3.2 JP3#2.2 JP3#3.2 JP3#4.2 JP3#5.2 JP3#6.2 L2.2 L2#2.2 L2#3.2 L2#4.2 L2#5.2 L2#6.2 R12.1 R12#2.1 R12#3.1 R12#4.1 R12#5.1 R12#6.1 U3.23 U3#2.23 U3#3.23 U3#4.23 U3#5.23 U3#6.23
3.3V_P: C13.1 C13#2.1 C13#3.1 C13#4.1 C13#5.1 C13#6.1 U8.4 U8#2.4 U8#3.4 U8#4.4 U8#5.4 U8#6.4
5V: D8.A D8#2.A D8#3.A D8#4.A D8#5.A D8#6.A J2.7 J2#2.7 J2#3.7 J2#4.7 J2#5.7 J2#6.7 JP6.1 JP6#2.1 JP6#3.1 JP6#4.1 JP6#5.1 JP6#6.1
